# Altium PCB MicroMultimeter__Pcb.PcbDoc
Units mil, origin at the board's own origin, x right, y up, seen from the top; angles counter-clockwise.
Board outline 1694.61 x 1000 mil, 2 copper layers (Top Layer, Bottom Layer); 58 components, 66 nets, 234 pads, 44 vias.
Unrouted connection lines stored in the file: 1.
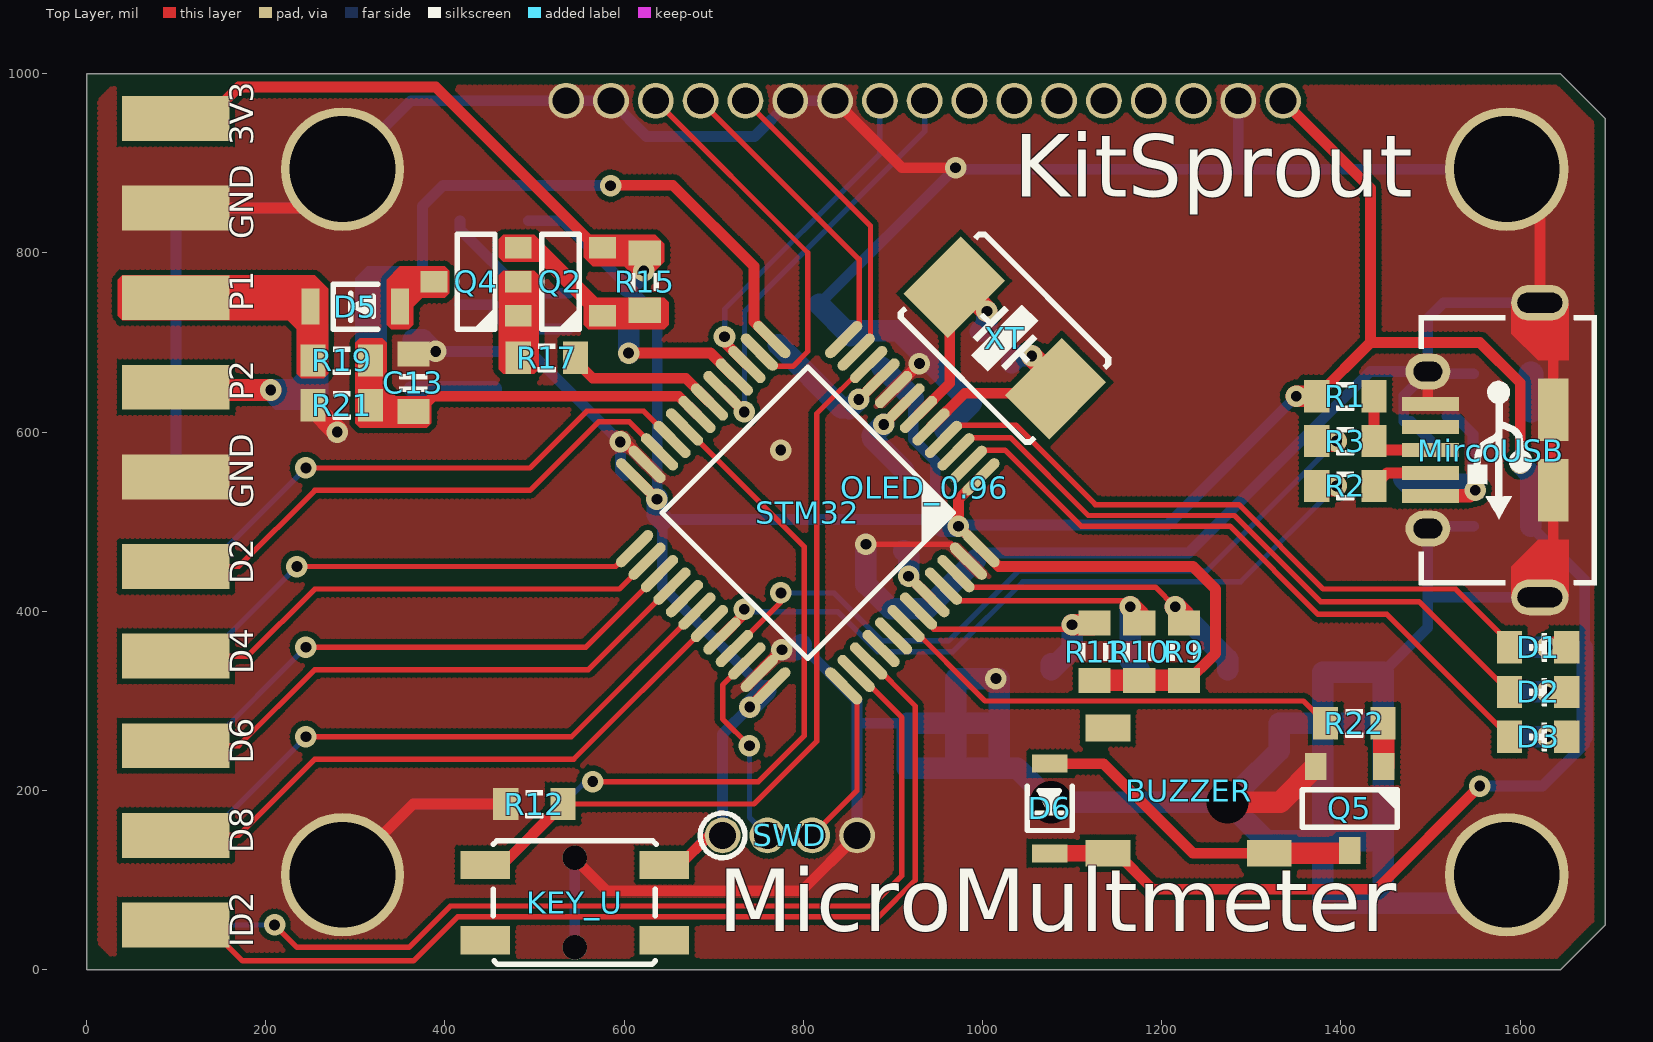
[diagram p0: Top Layer view]
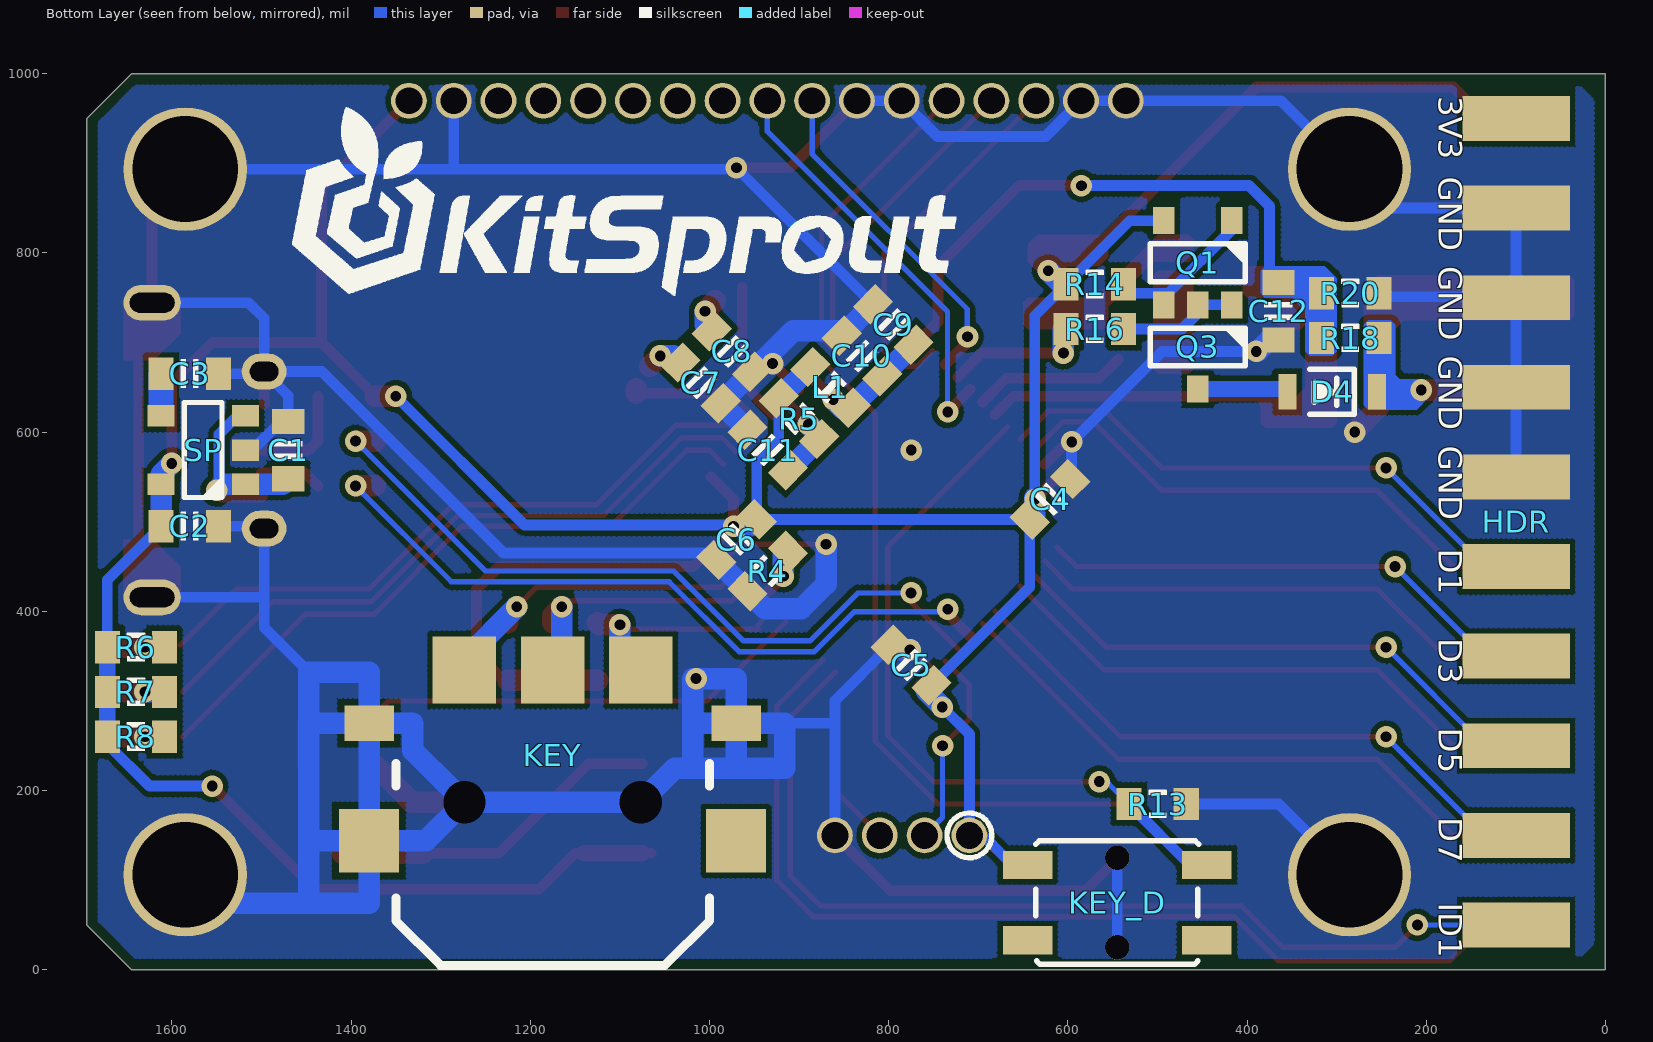
[diagram p1: Bottom Layer view, seen from below]
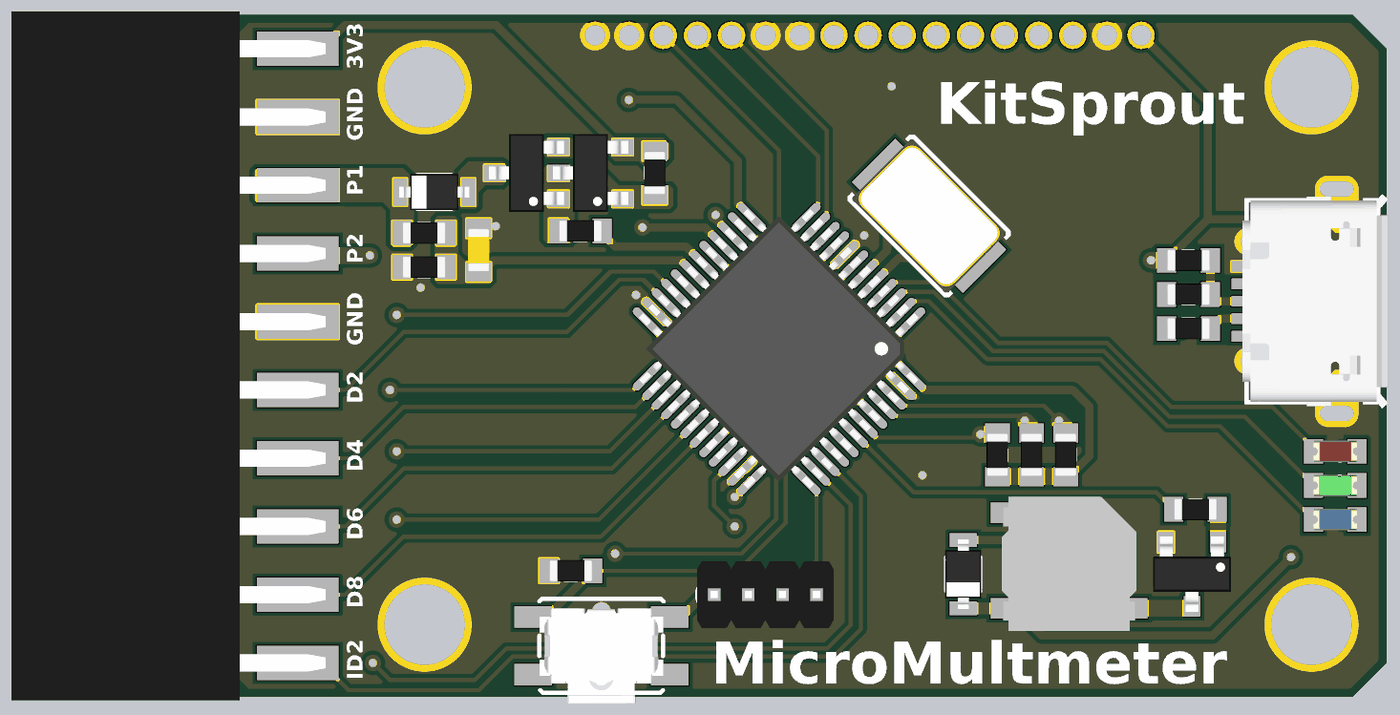
[diagram p2: 3D render of the assembled board from above, using the file's embedded part models]
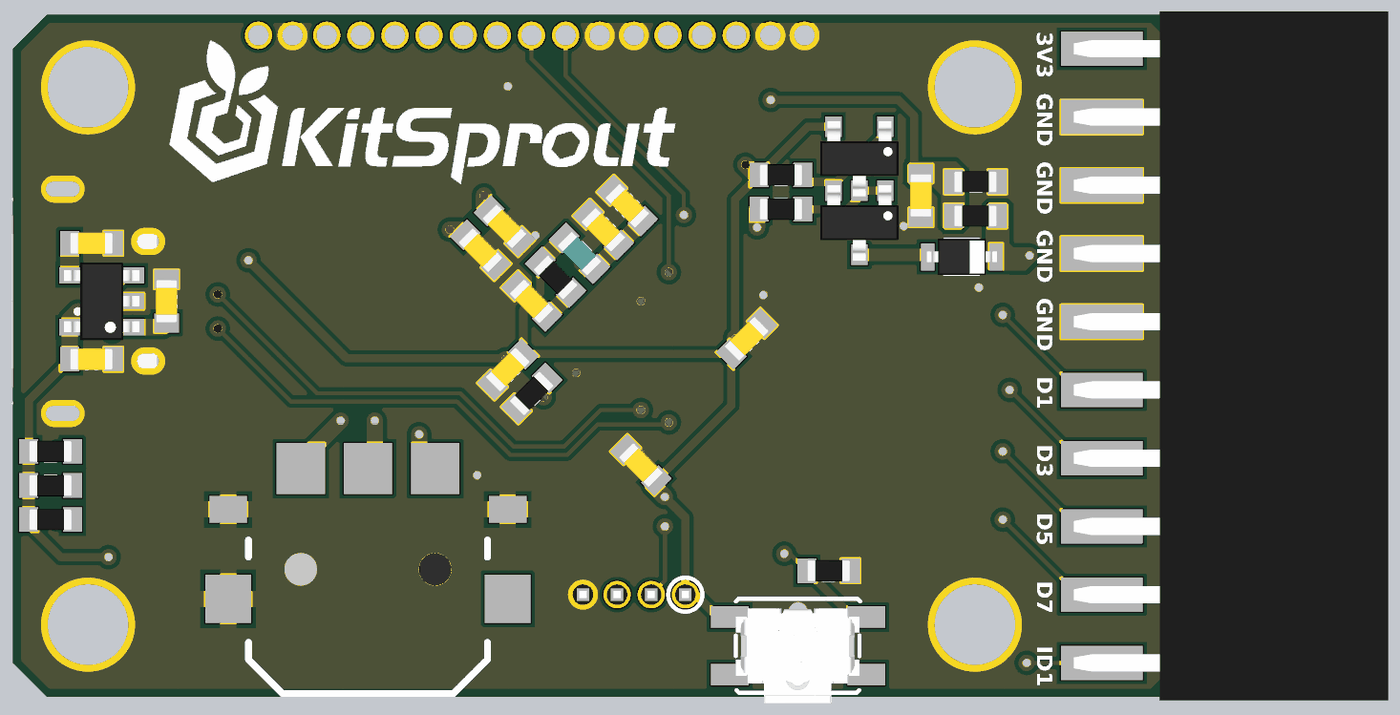
[diagram p3: 3D render of the assembled board from below, using the file's embedded part models]

## Layer stack, top to bottom
Top Solder: solder mask 0.4, Solder Resist, Dk 3.5
Top Layer: signal copper 1.4
Dielectric1: dielectric 12.6, FR-4, Dk 4.8
Bottom Layer: signal copper 1.4
Bottom Solder: solder mask 0.4, Solder Resist, Dk 3.5

## Board outline
0.39,0 0.39,1000 1645,1000 1695,950 1695,50 1645,0

## Design rules (kind name [scope] priority, off if disabled: settings)
Clearance ClearancePolygon [InPolygon] p1: gap=6
Clearance [All] p2: gap=6
ComponentClearance [All] p1: gap=0 collisioncheckmode=3 verticalgap=0 showdistances=FALSE
Height [All] p1: minheight=0 maxheight=5000 prefheight=500
HoleSize [All] p1: absolutevalues=TRUE maxlimit=200 minlimit=1 maxpercent=80.000 minpercent=20.000
HoleToHoleClearance [All] p1: gap=6 allowstackedmicrovias=TRUE
MinimumSolderMaskSliver [All] p1: minsoldermaskwidth=4
PlaneConnect [All] p1: planeconnectstyle=Direct reliefexpansion=20 reliefentries=4 reliefconductorwidth=20 reliefairgap=10
PolygonConnect [All] p1: connectstyle=Direct reliefconductorwidth=20 reliefentries=4 polygonreliefangle="90 Angle" airgapwidth=10
RoutingVias [All] p1: holewidth=12 width=20 viastyle="Through Hole" minholewidth=12 minwidth=20 maxholewidth=100 maxwidth=200
SilkToSilkClearance [All] p1: silktosilkclearance=0
SilkToSolderMaskClearance SilkscreenOverComponentPads [IsPad] p1: minsilkscreentomaskgap=1 clearancetoexposedcopper=TRUE
SolderMaskExpansion [All] p1: expansion=2
Width [All] p1: maxlimit=64 minlimit=6 preferedwidth=10
22 further rules are at their usual default settings.

## Classes and differential pairs
component class USB: MircoUSB R1 R2 R3
component class PWR: C1 C2 C3 SP
component class BUZZER: BUZZER D6 Q5 R22
component class EXP: HDR
component class KEY: KEY KEY_D KEY_U R9 R10 R11 R12 R13
component class LED: D1 D2 D3 R6 R7 R8
component class MCU: C4 C5 C6 C7 C8 C9 C10 C11 L1 R4 R5 STM32 XT
component class OLED: OLED_0.96
component class PROBE: C12 C13 D4 D5 Q1 Q2 Q3 Q4 R14 R15 R16 R17 R18 R19 R20 R21
component class SWD: SWD

## Components (designator, comment, footprint, x,y, rotation, side; value= is the part's Value field where it differs from the comment)
BUZZER "Buzzer" Buzzer_5x5 1230,195 r270 top
C1 "Cap_0603" CAP_0603 1470,580 r270 bottom
C2 "Cap_0603" CAP_0603 1580,495 r0 bottom
C3 "Cap_0603" CAP_0603 1580,665 r0 bottom
C4 "Cap_0603" CAP_0603 620,525 r315 bottom
C5 "Cap_0603" CAP_0603 775,340 r225 bottom
C6 "Cap_0603" CAP_0603 970,480 r135 bottom
C7 "Cap_0603" CAP_0603 1010,655 r225 bottom
C8 "Cap_0603" CAP_0603 975,690 r225 bottom
C9 "Cap_0603" CAP_0603 795,720 r225 bottom
C10 "Cap_0603" CAP_0603 830,685 r225 bottom
C11 "Cap_0603" CAP_0603 935,580 r225 bottom
C12 "Cap_0603" CAP_0603 365,735 r90 bottom
C13 "Cap_0603" CAP_0603 365,655 r270 top
D1 "LED_0603" LED_0603_RED 1620,360 r180 top
D2 "LED_0603" LED_0603_GREEN 1620,310 r180 top
D3 "LED_0603" LED_0603_BLUE 1620,260 r180 top
D4 "Diode_SOD323" SOD323 305,645 r0 bottom
D5 "Diode_SOD323" SOD323 300,740 r0 top
D6 "Diode_SOD323" SOD323 1075,180 r90 top
HDR "HDR2x10_2.54" HDR2X10_2.54_180HF 100,950 r180 bottom locked
KEY "ButtonPushLever_11*12_90" ButtonPushLever_11*12_90 1175,195 r0 bottom
KEY_D "ButtonTACT" ButtonTACT_3.5*3.55_90 545,75 r0 bottom locked
KEY_U "ButtonTACT" ButtonTACT_3.5*3.55_90 545,75 r180 top locked
L1 "Ind_0603" IND_0603 865,650 r225 bottom
MircoUSB "USB_Micro" USB_Micro-AB 1625,580 r270 top
OLED_0.96 "OLED_0.96" OLED_0.96_96x64 935,500 r0 top locked
Q1 "BJT_PNP" SOT23-3 455,789 r270 bottom
Q2 "BJT_PNP" SOT23-3 529,768 r180 top
Q3 "BJT_PNP" SOT23-3 455,695 r270 bottom
Q4 "BJT_PNP" SOT23-3 435,768 r180 top
Q5 "BJT_NPN" SOT23-3 1410,180 r270 top
R1 "Res_0603" RES_0603 1405,640 r0 top
R2 "Res_0603" RES_0603 1405,540 r180 top
R3 "Res_0603" RES_0603 1405,590 r180 top
R4 "Res_0603" RES_0603 935,445 r135 bottom
R5 "Res_0603" RES_0603 900,615 r45 bottom
R6 "Res_0603" RES_0603 1640,360 r0 bottom
R7 "Res_0603" RES_0603 1640,310 r0 bottom
R8 "Res_0603" RES_0603 1640,260 r180 bottom
R9 "Res_0603" RES_0603 1225,355 r270 top
R10 "Res_0603" RES_0603 1175,355 r270 top
R11 "Res_0603" RES_0603 1125,355 r270 top
R12 "Res_0603" RES_0603 500,185 r0 top
R13 "Res_0603" RES_0603 500,185 r0 bottom
R14 "Res_0603" RES_0603 570,765 r0 bottom
R15 "Res_0603" RES_0603 623,768 r90 top
R16 "Res_0603" RES_0603 570,715 r180 bottom
R17 "Res_0603" RES_0603 514,683 r180 top
R18 "Res_0603" RES_0603 285,705 r180 bottom
R19 "Res_0603" RES_0603 285,680 r180 top
R20 "Res_0603" RES_0603 285,755 r0 bottom
R21 "Res_0603" RES_0603 285,630 r0 top
R22 "Res_0603" RES_0603 1415,275 r180 top
SP "SP6205" SOT23-5 1565,580 r0 bottom
STM32 "STM32F103C" LQFP_P0.5_48 805,510 r225 top locked
SWD "HDR1x4_1.27" HDR1X4_1.27_180 710,150 r90 top locked
XT "XTAL_5032_2P" XT_5032_2 1025,705 r315 top

## Footprints (in the part's own frame and the unit in brackets; to place one, negate y for a bottom-side part, rotate by r counter-clockwise, add the part's x,y. Pads: shape width x height; smd on the part's side, far side on the other; paste and mask are expansions set on the pad)
ButtonPushLever_11*12_90 [mm]
  rect 1.4x1 smd: 0(-5.2,-2.032) 0(5.2,-2.032)
  round 0.254 hole 1.2: 0(-2.5,0.2) 0(2.5,0.2)
  rect 1.8x1.9 smd: 1(-2.5,-3.55) 2(0,-3.55) 3(2.5,-3.55)
  rect 1.7x1.8 smd: 4(5.2,1.3) 5(-5.2,1.3)
  silkscreen extent -4.44,-0.89 4.44,4.83
ButtonTACT_3.5*3.55_90 [mm]
  round 0.7 hole 0.7 mask+0: 0(0,-1.27) 0(0,1.27)
  rect 1.4x0.8 smd: 1(-2.54,1.069) 2(2.54,1.069) 3(-2.54,-1.069) 4(2.54,-1.069)
  silkscreen extent -2.31,-1.75 2.31,1.75, body extent -2.29,-1.39 2.31,2.16, height 1.42
Buzzer_5x5 [mil]
  rect 30x50 smd: N(65,90) NC(-75,-90) P(65,-90)
  body extent -98,-98 98,98, height 106
CAP_0603 [mil]
  rect 28x36 smd: 1(-32,0) 2(32,0)
  silkscreen extent -10,-16 10,16, body extent -31,-16 31,16, height 36
HDR1X4_1.27_180 [mil]
  round 40 hole 30: 1(0,0) 2(0,-50) 3(0,-100) 4(0,-150)
  body extent -49,-175 49,25, height 210
HDR2X10_2.54_180HF [mil]
  rect 120x50 smd: 1(0,0) 3(0,-100) 5(0,-200) 7(0,-300) 9(0,-400) 11(0,-500) 13(0,-600) 15(0,-700) 17(0,-800) 19(0,-900)
  rect 120x50 smd far side: 2(0,0) 4(0,-100) 6(0,-200) 8(0,-300) 10(0,-400) 12(0,-500) 14(0,-600) 16(0,-700) 18(0,-800) 20(0,-900)
  body extent -41,-955 420,55, height 88
IND_0603 [mil]
  rect 28x36 smd: 1(-32,0) 2(32,0)
  silkscreen extent -10,-15 10,15, body extent -31,-16 31,16, height 37
LED_0603_BLUE [mil]
  rect 28x36 smd: 1(-32,0) 2(32,0)
  silkscreen extent -10,-16 10,16, body extent -32,-16 32,16, height 24
LED_0603_GREEN [mil]
  rect 28x36 smd: 1(-32,0) 2(32,0)
  silkscreen extent -10,-16 10,16, body extent -32,-16 32,16, height 24
LED_0603_RED [mil]
  rect 28x36 smd: 1(-32,0) 2(32,0)
  silkscreen extent -10,-16 10,16, body extent -32,-16 32,16, height 24
LQFP_P0.5_48 [mil]
  oval 54x12 smd: 1(-165,108.27) 2(-165,88.58) 3(-165,68.9) 4(-165,49.21) 5(-165,29.53) 6(-165,9.84) 7(-165,-9.84) 8(-165,-29.53) 9(-165,-49.21) 10(-165,-68.9) 11(-165,-88.58) 12(-165,-108.27) 25(165,-108.27) 26(165,-88.58) 27(165,-68.9) 28(165,-49.21) 29(165,-29.53) 30(165,-9.84) 31(165,9.84) 32(165,29.53) 33(165,49.21) 34(165,68.9) 35(165,88.58) 36(165,108.27)
  oval 12x54 smd: 13(-108.27,-165) 14(-88.58,-165) 15(-68.9,-165) 16(-49.21,-165) 17(-29.53,-165) 18(-9.84,-165) 19(9.84,-165) 20(29.53,-165) 21(49.21,-165) 22(68.9,-165) 23(88.58,-165) 24(108.27,-165) 37(108.27,165) 38(88.58,165) 39(68.9,165) 40(49.21,165) 41(29.53,165) 42(9.84,165) 43(-9.84,165) 44(-29.53,165) 45(-49.21,165) 46(-68.9,165) 47(-88.58,165) 48(-108.27,165)
  silkscreen extent -115,-115 115,115, body extent -177,-178 177,177, height 61
OLED_0.96_96x64 [mil]
  round 40 hole 30: 1(400.45,469.72) 2(350.45,469.72) 3(300.45,469.72) 4(250.45,469.72) 5(200.45,469.72) 6(150.45,469.72) 7(100.45,469.72) 8(50.45,469.72) 9(0.45,469.72) 10(-49.55,469.72) 11(-99.55,469.72) 12(-149.55,469.72) 13(-199.55,469.72) 14(-249.55,469.72) 15(-299.55,469.73) 16(-349.55,469.73) 17(-399.55,469.73)
  round 137.8 hole 118.11 mask+0: 2(-649.15,-393.98) 2(-649.15,393.43) 2(650.06,-393.98) 2(650.06,393.43)
RES_0603 [mil]
  rect 28x36 smd: 1(-32,0) 2(32,0)
  silkscreen extent -10,-16 10,16, body extent -31,-16 32,16, height 20
SOD323 [mil] "SOD-323; 2 Leads; Body 1.8 x 1.35 mm, (LxW)"
  rrect0% 20x40 smd: 1(50,0) 2(-50,0)
  silkscreen extent -25,-25 25,25, body extent -51,-27 51,27, height 43
SOT23-3 [mil]
  rect 30x24 smd: 1(-47,38) 2(-47,-38) 3(47,0)
  silkscreen extent -21,-53 21,53, body extent -55,-57 55,57, height 51
SOT23-5 [mil]
  rect 30x24 smd: 1(-47,38) 2(-47,0) 3(-47,-38) 4(47,-38) 5(47,38)
  silkscreen extent -21,-53 21,53, body extent -55,-57 55,57, height 57
USB_Micro-AB [mil]
  rect 15.75x64 smd: 1(51.18,-125) 2(25.59,-125) 3(0,-125) 4(-25.59,-125) 5(-51.18,-125)
  oval 40x64 hole 22 slot 50 at 90 deg mask+0: 5(-164.37,-3) 5(164.37,-3)
  oval 40x50 hole 22 slot 32 at 90 deg mask+0: 5(-87.6,-128) 5(87.6,-128)
  rect 70x34 smd mask+0: 5(-45,12) 5(45,12)
  Top Layer region: 100,29 164.37,29 164.37,-35 130,-35 100,-5
  Top Layer region: -164.37,29 -100,29 -100,-5 -130,-35 -164.37,-35
  silkscreen extent -150,-138 150,61, body extent -157,-141 157,72, height 107
XT_5032_2 [mil]
  rect 70x90 smd: 1(-80,0) 2(80,0)
  silkscreen extent -104,-68 104,68, body extent -98,-63 98,63, height 39

## Part data
C1 C2 C3 C4 C5 C6 C7 C8 C9 C10 C11 C12 C13: "Capacitor"
D1 D2 D3: "LED"
D4 D5 D6: "Diode"
HDR SWD: "Header"
KEY KEY_D KEY_U: "Button"
L1: "Inductor"
MircoUSB: "USB"
OLED_0.96: library part OLED_0.96_96*64, "Module"
Q1 Q2 Q3 Q4 Q5: "Transistor"
R1 R2 R3 R4 R5 R6 R7 R8 R9 R10 R11 R12 R13 R14 R15 R16 R17 R18 R19 R20 R21 R22: "Resistor"
SP: "Power"
STM32: "MCU"
XT: "Crystal Oscillator"

## Via types
v1: diameter 24, hole 12, Top Layer to Bottom Layer, 44 vias

## Nets (pads, with @x,y where several pads share a name; then routed paths per layer and width w, separated by ;. In a path a pad name is that pad's centre, name@x,y a point inside that pad or via, vN(x,y) a via of type N, cw(c..) or ccw(c..) an arc to the next point about the centre after c; other vN are vias at no path point)
3V3: BUZZER.P C2.2 C4.2 C5.2 C6.2 D6.2 HDR.1 HDR.2 KEY_D.4 KEY_U.3 L1.1 OLED_0.96.1 Q1.2 Q2.2 R1.1 R5.2 R6.2 R7.2 R8.1 R9.2 R10.2 R11.2 R14.2 R15.2 SP.5 STM32.1 STM32.24 STM32.36 STM32.48 SWD.1 | length 4988.2
  Top Layer w12: HDR.2 135,950 170,985 390,985 569,806 Q2.2 ; STM32.24 v1(636.77,525.12) ; KEY_U.3@645,116.09 661.09,116.09 695,150 SWD.1 ; v1(740.17,293.23) STM32.36@765.17,318.23 ; STM32.1 973.23,525.12 v1(973.23,494.88) 1018.11,450 1235,450 1260,425 1260,353 R9.2@1225,318 ; D6.2@1065,130 D6.2 ; BUZZER.P 1150,130 1190,90 1440,90 v1(1555,205) ; OLED_0.96.1 1433,872.17 1433,700 ; R1.1 1433,700 ; v1(1600,565) 1600,655 1555,700 1433,700
  Top Layer w18: D6.2 BUZZER.P
  Top Layer w24: R11.2 R9.2 ; v1(1350,640) R1.1
  Bottom Layer w12: Q1.2 531,836 R14.2 637.06,729.94 v1@637.06,526.58 ; KEY_D.4@631.09,116.09 KEY_D.4@661.09,116.09 ; C4.2 642.63,427.12 C5.2@758.34,311.4 ; C4.2@642.88,502.63 C6.2 947.37,567.63 922.63,592.37 R5.2 ; KEY_D.4 662.09,117.09 SWD.1@705,160 ; SWD.1 710,263.06 v1(740.17,293.23) ; v1@973.52,496.35 1206.35,496.35 v1(1350,640) ; v1(1555,205) 1625,205 1672,252 R8.1 ; C2.2 1672,435 R6.2
  Bottom Layer w18: R8.1 R7.2 R6.2
  Bottom Layer w24: R14.2@604.53,762.47 v1(622.06,780) ; v1@637.06,526.58 637.06,507.94 C4.2 ; v1(740.17,293.23) C5.2@758.34,311.4 ; L1.1 R5.2 ; C6.2@953.65,496.35 C6.2 955.12,494.88 v1(973.23,494.88) ; v1(1600,565) 1612,553 SP.5 C2.2
5V: C1.2 MircoUSB.1 SP.1 SP.3 | length 226.4
  Top Layer w15: MircoUSB.1 1543.82,528.82 v1(1550,535)
  Bottom Layer w12: SP.1 SP.1@1522,542 ; SP.3 1527,618 1547.32,597.68 1547.32,546.93
  Bottom Layer w24: C1.2 1476,542 SP.1 ; SP.1@1522,542 1543,542 v1(1550,535)
BOOT0: R4.2 STM32.44 | length 66
  Top Layer w12: v1(917.55,439.21) STM32.44
  Bottom Layer w24: R4.2 917.84,462.16 v1@917.84,439.21
BUZZER: R22.2 STM32.42 | length 514.7
  Top Layer w6: STM32.42@915,387.83 1002.84,300 1358,300 R22.2
EXP_01: HDR.11 STM32.21 | length 638.5
  Top Layer w6: v1(245,560) 495,560 558.5,623.5 621.9,623.5 STM32.21
  Bottom Layer w6: HDR.11 135,450 v1(245,560)
EXP_02: HDR.12 STM32.22 | length 620.4
  Top Layer w6: HDR.12 170,450 255,535 495,535 571.5,611.5 606.06,611.5 STM32.22
EXP_03: HDR.13 STM32.25 | length 552.3
  Top Layer w6: v1@245,450 590.71,450 STM32.25@612.06,471.35
  Bottom Layer w6: HDR.13 135,350 v1(235,450)
EXP_04: HDR.14 STM32.26 | length 569.6
  Top Layer w6: HDR.14 180,350 255,425 594.73,425 STM32.26
EXP_05: HDR.15 STM32.27 | length 584.2
  Top Layer w6: v1(245,360) 557.56,360 STM32.27
  Bottom Layer w6: HDR.15@135,250 v1(245,360)
EXP_06: HDR.16 STM32.28 | length 627.3
  Top Layer w6: HDR.16 170,250 255,335 560.4,335 STM32.28
EXP_07: HDR.17 STM32.30 | length 650
  Top Layer w6: v1(245,260) 541.08,260 STM32.30
  Bottom Layer w6: HDR.17@135,150 v1(245,260)
EXP_08: HDR.18 STM32.31 | length 693.2
  Top Layer w6: HDR.18 170,150 255,235 543.92,235 STM32.31
EXP_ID1: HDR.19 STM32.38 | length 1101.6
  Top Layer w6: v1(210,50) 235,25 360,25 406.13,71.13 876.13,71.13 910,105 910,281.48 STM32.38@859.33,332.15
  Bottom Layer w6: HDR.19 v1(210,50)
EXP_ID2: HDR.20 STM32.39 | length 1146.4
  Top Layer w6: HDR.20 134.42,50 174.42,10 365,10 414.13,59.13 884.13,59.13 925,100 925,294.32 STM32.39@873.24,346.07
GND: C1.1 C2.1 C3.1 C4.1 C5.1 C6.1 C7.2 C8.2 C9.1 C10.1 C11.1 C12.1 C13.1 HDR.3 HDR.4 HDR.5 HDR.7 HDR.9 HDR.10 KEY.0 KEY.4 KEY_D.0 KEY_U.0 MircoUSB.5 OLED_0.96.2 OLED_0.96.11 OLED_0.96.12 OLED_0.96.16 OLED_0.96.17 Q5.2 R4.1 R12.1 R13.1 R20.1 R21.1 SP.2 STM32.8 STM32.23 STM32.35 STM32.47 SWD.4 | length 8884.3
  Top Layer w6: v1(870,475) 965.17,475 982.74,457.43 STM32.47@984.6,457.43
  Top Layer w12: HDR.4 242.42,850 OLED_0.96.2@285.85,893.43 ; OLED_0.96.2@321.87,70 285.85,106.02 364.82,185 R12.1 ; KEY_U.0@544.99,124 580.65,88.35 798.35,88.35 SWD.4 ; v1(595.69,589.03) 600.69,589.03 STM32.23 ; STM32.35@751.25,332.15 v1(776.25,357.15) ; OLED_0.96.11 910.18,895 v1(970,895) ; STM32.8 v1(929.71,676.47) ; MircoUSB.5@1497,631.18 MircoUSB.5@1497,667.6 ; MircoUSB.5@1622,415.63 1637,430.63 1637,535 MircoUSB.5@1637,625 ; OLED_0.96.2@1622,856.49 1622,744.37 1637,729.37 MircoUSB.5@1637,631.18
  Top Layer w24: R21.1@253,628 280,601 v1(280,600) ; KEY.0@1273.43,187.13 1332.13,187.13 Q5.2
  Bottom Layer w6: OLED_0.96.2@279.91,100.09 OLED_0.96.2@285.85,106.02
  Bottom Layer w12: HDR.9 HDR.7 HDR.3 242.42,850 OLED_0.96.2@285.85,893.43 ; HDR.5@101,751 R20.1@253,751 ; OLED_0.96.2@241.87,150 285.85,106.02 364.82,185 R13.1 ; OLED_0.96.2@285.85,880.85 OLED_0.96.2@285.85,893.43 ; v1(390,690) 494.73,690 595.98,588.75 595.98,556.23 C4.1@600.98,551.23 ; KEY_U.0@544.99,24.01 KEY_U.0@544.99,124 ; C5.1 860,300.25 860,275 ; C9.1 968.43,893.43 OLED_0.96.2@1585.06,893.43 ; OLED_0.96.11 OLED_0.96.12 745.73,930 625.18,930 OLED_0.96.16 362.15,969.73 OLED_0.96.2@285.85,893.43 ; SWD.4 860,275 ; 916,275 860,275 ; C6.1 1000.25,465 1230,465 1432.6,667.6 MircoUSB.5@1497,667.6 ; 1285.45,893.43 OLED_0.96.2@1285.45,969.72 ; 1447,332 1497,382 1497,415.63 ; MircoUSB.5@1497,492.4 1497,415.63 ; MircoUSB.5@1499.6,495 C2.1 ; MircoUSB.5@1499.6,665 C3.1 ; SP.2 1510,580 1478,612 C1.1 1470,640.6 MircoUSB.5@1497,667.6 ; MircoUSB.5@1622,415.63 1497,415.63 ; MircoUSB.5@1622,744.37 1514.37,744.37 1497,727 MircoUSB.5@1497,667.6
  Bottom Layer w24: C12.1 375.15,703 v1@388.15,690 ; v1(776.25,357.15) 792.15,357.15 C5.1 ; C9.1 C10.1 852.63,713.25 906.49,713.25 C7.2 C11.1 ; v1(870,475) 870,430.51 897.89,402.62 937.88,402.62 C6.1 ; 1288.18,201.88 1331,244.7 1331,275 KEY.0@1379.72,275 ; OLED_0.96.2@1547.27,143.82 1585.06,106.02 1553.03,74 1447,74 ; 970.28,225 KEY.0@970.28,275 ; 970.28,225 1018.96,225 ; 970.28,225 916,225 916,275 KEY.0@970.28,275 ; KEY.0@970.28,275 1018.96,275 ; KEY.0@970.28,275 970.28,325 1018.96,325 1018.96,275 ; 1018.96,225 1018.96,275 ; 1018.96,225 1038.7,225 1076.57,187.13 1273.43,187.13 1316.73,143.82 KEY.4 ; KEY.4 1447,143.82 ; KEY.4 1379.72,215 KEY.0@1379.72,275 ; KEY.4 1379.72,74 1447,74 ; KEY.0@1379.72,275 1447,275 ; KEY.0@1379.72,275 1379.72,332 1447,332 1447,275 ; 1447,74 1447,143.82 ; 1447,143.82 1447,275
  other v1: 1015,325 775,580
KEY_D: KEY_D.3 R13.2 STM32.20 | length 816.1
  Top Layer w6: v1@570,210 750,210 801,261 801,472.24 STM32.20
  Bottom Layer w6: R13.2 554.5,207.5 567.5,207.5 v1@570,210
  Bottom Layer w12: KEY_D.3@445,116.09 463.09,116.09 R13.2
  other v1: 565,210
KEY_L: KEY.1 R11.1 STM32.43 | length 270.6
  Top Layer w6: STM32.43@928.92,401.75 STM32.43@945.67,385 ; STM32.43@945.67,380 v1@1100,380
  Top Layer w24: v1(1100,385) 1123,385 R11.1
  Bottom Layer w24: KEY.1@1076.57,341.57 KEY.1 1100,358.19 v1(1100,385)
KEY_P: KEY.2 R10.1 STM32.45 | length 314.9
  Top Layer w6: STM32.45@956.76,429.59 974.42,411.93 1158.07,411.93 v1(1165,405)
  Top Layer w24: v1(1165,405) 1175,395 R10.1
  Bottom Layer w24: v1(1165,405) 1165,344.76 KEY.2
KEY_R: KEY.3 R9.1 STM32.46 | length 376.8
  Top Layer w6: STM32.46@970.68,443.51 987.26,426.93 1193.07,426.93 v1(1215,405)
  Top Layer w24: v1(1215,405) 1225,395 R9.1
  Bottom Layer w24: v1(1215,405) 1273.43,346.57 KEY.3
KEY_U: KEY_U.4 R12.2 STM32.10 | length 872.7
  Top Layer w6: R12.2 745,185 815,255 815,620.47 STM32.10@871.38,676.85
  Top Layer w12: KEY_U.4@445,116.09 463.09,116.09 R12.2
LED_B: D3.2 STM32.2 | length 742.8
  Top Layer w6: STM32.2 1000.24,579.96 1025.03,579.96 1110,495 1276.06,495 1374.34,396.72 1451.28,396.72 D3.2
LED_G: D2.2 STM32.3 | length 741.8
  Top Layer w6: STM32.3 986.32,593.88 1031.12,593.88 1118,507 1281.03,507 1377.17,410.86 1487.14,410.86 D2.2
LED_R: D1.2 STM32.4 | length 742.2
  Top Layer w6: STM32.4 972.4,607.8 1037.2,607.8 1126,519 1286,519 1380,425 1528,425 D1.2@1590.5,362.5
NetBUZZER_N: BUZZER.N D6.1 Q5.3 | length 376.4
  Top Layer w12: D6.1 1135,230 1235,130 BUZZER.N
  Top Layer w24: BUZZER.N Q5.3@1410,130
NetC3_2: C3.2 SP.4 | length 40
  Bottom Layer w28: SP.4@1612,625 C3.2
NetD1_1: D1.1 R6.1 | length 44
  Top Layer w24: v1(1630,360) D1.1
  Bottom Layer w24: R6.1 v1(1630,360)
NetD2_1: D2.1 R7.1 | length 44
  Top Layer w24: v1(1630,310) D2.1
  Bottom Layer w24: R7.1 v1(1630,310)
NetD3_1: D3.1 R8.2 | length 44
  Top Layer w24: v1(1630,260) D3.1
  Bottom Layer w24: R8.2 v1(1630,260)
NetD4_1: D4.1 Q3.3 | length 91.9
  Bottom Layer w18: D4.1@363.12,648 Q3.3
NetD5_1: D5.1 Q4.3
NetMircoUSB_2: MircoUSB.2 R2.1 | length 69
  Top Layer w12: R2.1 1451.41,554.41 MircoUSB.2
NetMircoUSB_3: MircoUSB.3 R1.2 R3.1 | length 117.1
  Top Layer w12: R1.2 R3.1 1447,580 MircoUSB.3
NetMircoUSB_4: MircoUSB.4
NetOLED_0.96_3: OLED_0.96.3
NetOLED_0.96_4: OLED_0.96.4
NetOLED_0.96_5: OLED_0.96.5
NetOLED_0.96_6: OLED_0.96.6
NetOLED_0.96_7: OLED_0.96.7
NetOLED_0.96_8: OLED_0.96.8
NetQ1_1: Q1.1 Q3.2 R14.1 | length 160.4
  Bottom Layer w12: Q1.1 417,826 488,755 R14.1@538,755
NetQ1_3: Q1.3 Q3.1 R16.2 | length 128.4
  Bottom Layer w12: Q3.1 Q1.3 ; Q1.3@455,732.74 472.74,715 R16.2
NetQ2_1: Q2.1 Q4.2 R15.1
NetQ2_3: Q2.3 Q4.1 R17.2
NetQ5_1: Q5.1 R22.1 | length 48
  Top Layer w24: Q5.1 R22.1@1448,275
NetSTM32_29: STM32.29
NetSTM32_40: STM32.40
NetSTM32_41: STM32.41
OLED_CS: OLED_0.96.15 STM32.14 | length 417.8
  Top Layer w6: OLED_0.96.15 805,800.18 805,690 788.38,673.38 768.65,673.38 STM32.14@751.25,690.77
OLED_DC: OLED_0.96.13 STM32.11 | length 344.8
  Top Layer w6: OLED_0.96.13 875,830.18 875,705.27 STM32.11
OLED_RST: OLED_0.96.14 STM32.12 | length 346.9
  Top Layer w6: OLED_0.96.14 862.32,792.85 862.32,720.44 STM32.12
OLED_SCK: OLED_0.96.10 STM32.15 | length 397.1
  Top Layer w12: v1(712.12,706.42) 712.12,700.32 STM32.15
  Bottom Layer w6: v1@712.41,707.89 712.41,737.4 885.45,910.45 885.45,953.99 869.72,969.72 OLED_0.96.10
OLED_SDI: OLED_0.96.9 STM32.17 | length 464.3
  Top Layer w12: STM32.17 v1(734.21,622.55)
  Bottom Layer w6: v1@734.5,624.02 734.5,734.5 935.45,935.45 OLED_0.96.9
PROBE_CH1: D5.2 HDR.6 R19.2
PROBE_CH2: D4.2 HDR.8 R18.2 | length 195.1
  Top Layer w24: HDR.8@115.94,647 v1(205.69,647)
  Bottom Layer w12: v1(205.69,647) 253,647 R18.2
PROBE_I1: C13.2 R19.1 R21.2 STM32.19 | length 330.3
  Top Layer w12: C13.2@367.5,620.5 387,640 661.08,640 STM32.19
PROBE_I2: C12.2 R18.1 R20.2 STM32.13 | length 596.2
  Top Layer w12: v1@585,875.54 654.46,875.54 745,785 745,723.11 STM32.13
  Bottom Layer w12: C12.2 375,777 375,852.22 397.92,875.14 v1@584.86,875.14
  other v1: 585,875
PROBE_O1: R17.1 STM32.18 | length 170.9
  Top Layer w12: R17.1@544,681 565,660 668.92,660 STM32.18
PROBE_O2: R16.1 STM32.16 | length 156
  Top Layer w12: v1(605,688.17) 696.42,688.17 STM32.16
  Bottom Layer w24: v1(605,688.17) R16.1@605,715
RST: C11.2 R5.1 STM32.7 | length 107.8
  Top Layer w12: v1(889.71,608.63) STM32.7
  Bottom Layer w24: R5.1@877.08,596 v1(889.71,608.63) ; R5.1@877.37,597.47 R5.1 C11.2
SW_CLK: STM32.37 SWD.3 | length 195
  Top Layer w6: SWD.3 860,200 860,303.64 STM32.37@845.41,318.23
SW_DIO: STM32.34 SWD.2 | length 226.5
  Top Layer w6: STM32.34 710,317.56 710,280 v1(740,250)
  Bottom Layer w6: v1(740,250) 740,170 SWD.2
USB_DM: R2.2 STM32.32 | length 818.2
  Top Layer w12: STM32.32 734.21,397.45 v1(734.21,402.45)
  Top Layer w24: R2.2 v1(1395,540)
  Bottom Layer w6: v1@734.21,399.45 838.58,399.45 883.03,355 966.97,355 1044.97,433 1288,433 v1(1395,540)
USB_DP: R3.2 STM32.33 | length 840
  Top Layer w6: STM32.33 775.13,410.53 v1(775.13,420.53)
  Top Layer w24: R3.2 v1(1395,590)
  Bottom Layer w6: v1(775.13,420.53) 834.47,420.53 888,367 962,367 1040,445 1250,445 v1(1395,590)
VDDA: C9.2 C10.2 L1.2 STM32.9 | length 158.5
  Top Layer w12: v1(861.87,636.47) STM32.9
  Bottom Layer w24: C9.2 L1.2 L1.2@851.6,627.37 ; L1.2@851.31,625.91 v1(861.87,636.47)
XT_I: C7.1 STM32.5 XT.2 | length 201.4
  Top Layer w12: STM32.5 980.19,643.43 XT.2@1081.57,643.43
  Top Layer w24: v1(1055,685) XT.2@1066.57,673.43 ; XT.2@1081.57,643.43 XT.2
  Bottom Layer w24: C7.1 1040,685 v1(1055,685)
XT_O: C8.1 STM32.6 XT.1 | length 198.1
  Top Layer w12: STM32.6 963.43,654.51 XT.1@963.43,761.57
  Top Layer w24: XT.1@993.43,746.57 v1(1005,735)
  Bottom Layer w24: C8.1 1005,720 v1(1005,735)
pads on no net: BUZZER.NC KEY.5 KEY_D.1 KEY_D.2 KEY_U.1 KEY_U.2

## Polygon pours and split planes (outlines as drawn)
GND on Top Layer "Bottom Layer-No Net" (hatched 45Degree grid 4 track 6, remove dead copper, pour order 4): 1680,945 1640,985 1610,985 30,985 15,970 15,720 15,30 30,15 55,15 1640,15 1680,55
GND on Bottom Layer "Bottom Layer-No Net" (hatched 45Degree grid 4 track 6, remove dead copper, pour order 3): 1680,945 1640,985 1610,985 30,985 15,970 15,720 15,30 30,15 55,15 1640,15 1680,55

## Other copper
Top Layer:
  region net 3V3: 560,820 555,815 555,795 565,785 600,785 613.53,771.47 625,780 630,775 645,790 645,810 635,820
  region net NetQ2_1: 465,820 460,815 460,795 465,790 505,790 555,740 555,720 560,715 645,715 650,720 650,745 645,750 570,750 505,815 500,820
  region net NetD5_1: 400,785 405,780 405,755 400,750 375,750 365,740 365,720 360,715 340,715 335,720 335,770 350,785
  region net PROBE_CH1: 40,775 35,770 35,730 40,725 225,725 235,715 235,665 240,660 265,660 270,665 270,700 270,760 255,775
  region net PROBE_I1: 305,705 330,705 335,700 335,650 345,640 380,640 385,635 385,610 380,605 305,605 300,610 300,700
  region net NetQ2_3: 465,780 460,775 460,670 465,665 500,665 505,670 505,775 500,780
Bottom Layer:
  pour cut-out: 1424,98 1336,98 1336,190 1424,190
  pour cut-out: 1418,245 1342,245 1342,305 1418,305
  pour cut-out: 1008.55,245 932.55,245 932.55,305 1008.55,305
  region net PROBE_I2: 385,780 380,785 313.44,785 300,771.56 300,690 305,685 330,685 335,690 335,735 350,750 380.26,750 385,755
  region net PROBE_CH2: 265,725 270,720 270,630 265,625 211,625 197.35,638.65 205.69,647 205.69,659 230,659 235,664 235,720 240,725

## Silkscreen, mask and mechanical layers (free items; w line width, h text height)
Top Overlay:
  circle w6: c710,150 r25
  text "3V3" at 195,920 h45 r90
  text "KitSprout" at 1035,840 h120
  text "GND" at 195,815 h45 r90
  text "P1" at 195,735 h45 r90
  text "P2" at 195,635 h45 r90
  text "GND" at 195,515 h45 r90
  text "D2" at 195,430 h45 r90
  text "D4" at 195,330 h45 r90
  text "D6" at 195,230 h45 r90
  text "D8" at 195,130 h45 r90
  text "ID2" at 195,25 h45 r90
  text "MicroMultmeter" at 705,20 h120
Bottom Overlay:
  drawing of 3511 lines, arcs and shapes, not listed
  text "3V3" at 195,975 h45 r90
  text "GND" at 195,885 h45 r90
  text "GND" at 195,785 h45 r90
  text "GND" at 195,685 h45 r90
  text "GND" at 195,585 h45 r90
  text "D1" at 195,470 h45 r90
  text "D3" at 195,370 h45 r90
  text "D5" at 195,270 h45 r90
  text "D7" at 195,170 h45 r90
  text "ID1" at 195,75 h45 r90
Mechanical 1:
  the board outline again, w2
Mechanical 13:
  circle w1: c1585.06,106.02 r118.11
  circle w1: c285.85,106.02 r118.11
  circle w1: c285.85,893.43 r118.11
  circle w1: c1585.06,893.43 r118.11
Drill Drawing:
  text ".Legend" at 1830,35 h60

## Panel: embedded boards
"MicroMultimeter__Pcb_View.PcbDoc" at 3385,-1100, 1 rows x 1 columns, spacing 0 x 0, rotation 0
"MicroMultimeter__Pcb_View.PcbDoc" at -15,-1100, 1 rows x 1 columns, spacing 0 x 0, rotation 0